# Altium PCB BMS-P00-V00 - Copy.PcbDoc (continued)
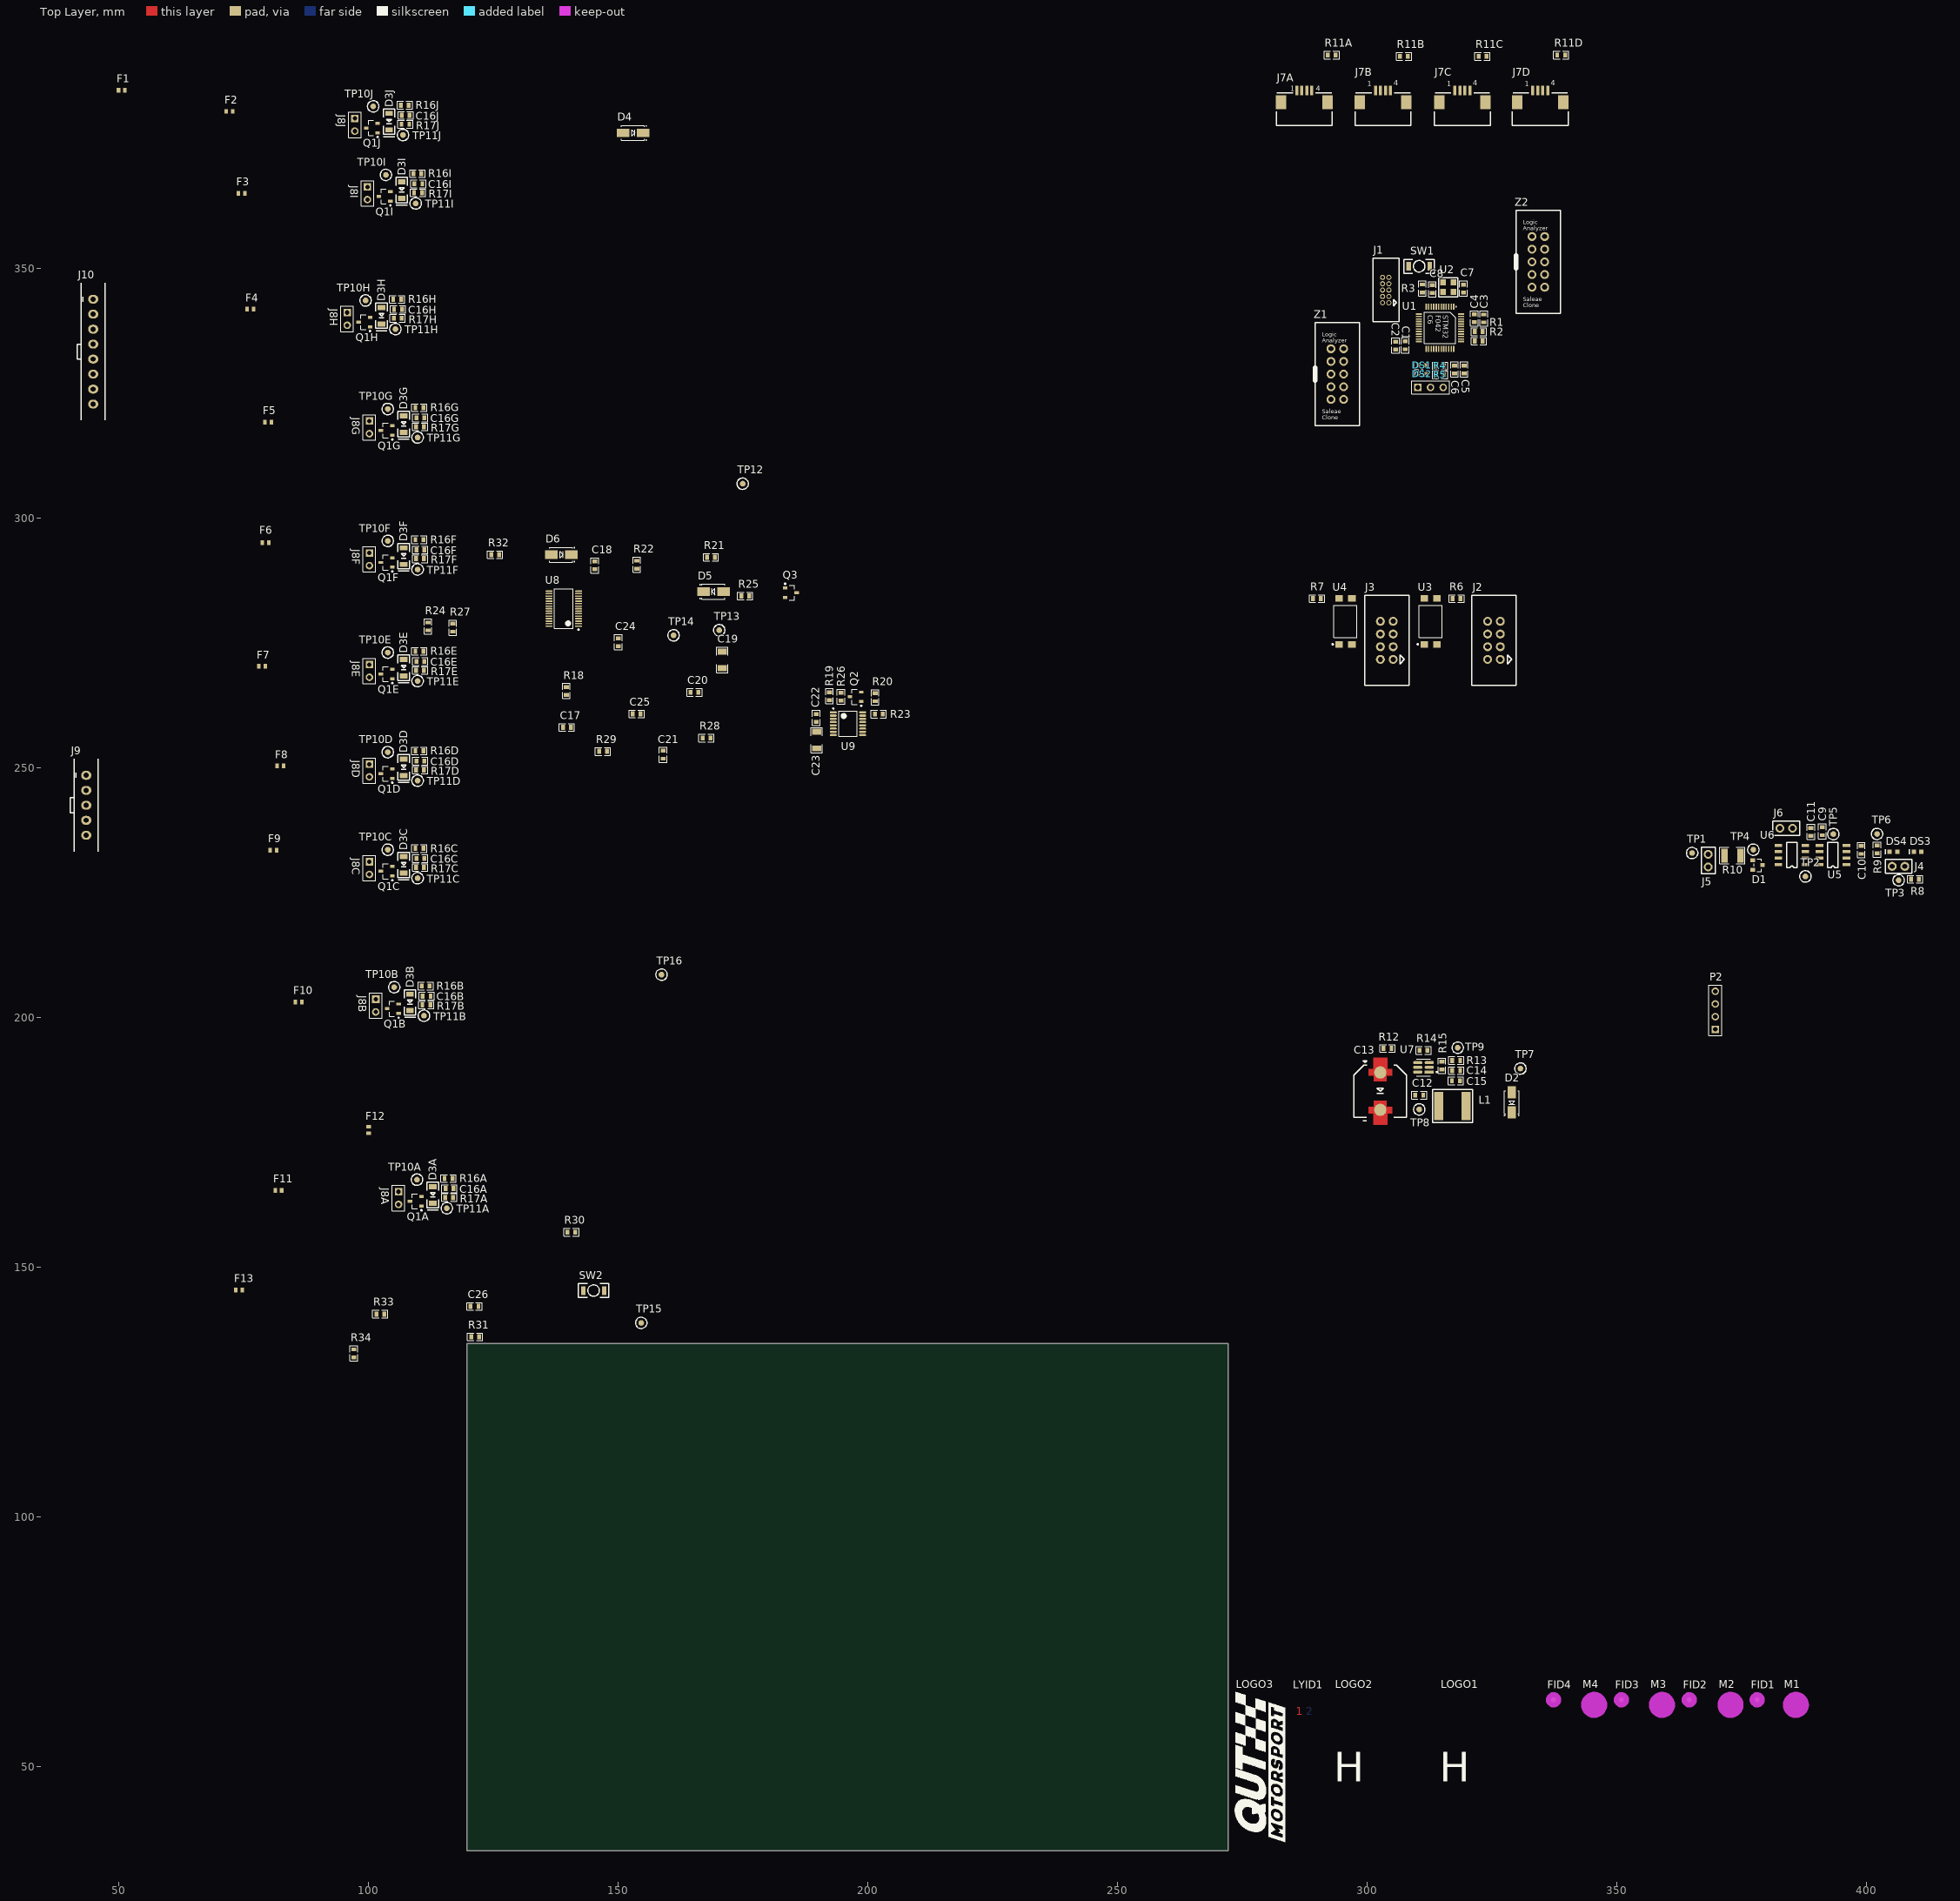
[diagram p0: Top Layer view]
## Components (designator, comment, footprint, x,y, rotation, side; value= is the part's Value field where it differs from the comment)
C1 "100nF" Cap_Ceramic_0603 307.594,334.549 r270 top
C2 "4u7" Cap_Ceramic_0603 305.689,334.518 r270 top
C3 "100nF" Cap_Ceramic_0603 323.342,339.948 r270 top
C4 "4u7" Cap_Ceramic_0603 321.437,339.979 r270 top
C5 "100nF" Cap_Ceramic_0603 319.405,329.723 r90 top
C6 "4u7" Cap_Ceramic_0603 317.5,329.723 r90 top
C7 "100nF" Cap_Ceramic_0603 319.278,345.917 r90 top
C8 "100nF" Cap_Ceramic_0603 313.055,345.821 r270 top
C9 "100nF" Cap_Ceramic_0603 391.127,237.267 r270 top
C10 "100nF" Cap_Ceramic_0603 398.91,233.519 r270 top
C11 "100nF" Cap_Ceramic_0603 388.841,237.14 r270 top
C12 "100nF 100V" Cap_Ceramic_0603 310.411,184.45 r180 top
C13 "47uF 80V 10% AluPoly 10x10mm" CAP_ALU_10x10mm 302.604,185.236 r90 top
C14 "47uF 16V 1210" Cap_Ceramic_0603 317.818,189.357 r0 top
C15 "47uF 16V 1210" Cap_Ceramic_0603 317.754,187.325 r0 top
C16A "220nF" Cap_Ceramic_0603 116.236,165.735 r0 top (schematic designator C16)
C16B "220nF" Cap_Ceramic_0603 111.671,204.277 r0 top (schematic designator C16)
C16C "220nF" Cap_Ceramic_0603 110.394,231.806 r0 top (schematic designator C16)
C16D "220nF" Cap_Ceramic_0603 110.394,251.333 r0 top (schematic designator C16)
C16E "220nF" Cap_Ceramic_0603 110.394,271.272 r0 top (schematic designator C16)
C16F "220nF" Cap_Ceramic_0603 110.394,293.624 r0 top (schematic designator C16)
C16G "220nF" Cap_Ceramic_0603 110.394,320.04 r0 top (schematic designator C16)
C16H "220nF" Cap_Ceramic_0603 105.949,341.757 r0 top (schematic designator C16)
C16I "220nF" Cap_Ceramic_0603 110.013,366.903 r0 top (schematic designator C16)
C16J "220nF" Cap_Ceramic_0603 107.473,380.619 r0 top (schematic designator C16)
C17 "220nF" Cap_Ceramic_0603 139.766,258.091 r180 top
C18 "1uF 25V" Cap_Ceramic_0603 145.354,290.507 r270 top
C19 "10uF 25V 1206" Cap_Ceramic_1206 170.881,271.58 r90 top
C20 "220nF" Cap_Ceramic_0603 165.293,265.076 r180 top
C21 "1uF 25V" Cap_Ceramic_0603 159.004,252.603 r90 top
C22 "470nF" Cap_Ceramic_0603 189.677,259.964 r90 top
C23 "10uF 25V 1206" Cap_Ceramic_1206 189.738,255.524 r90 top
C24 "1uF 25V" Cap_Ceramic_0603 150.053,275.109 r90 top
C25 "220nF" Cap_Ceramic_0603 153.705,260.758 r180 top
C26 "220nF" Cap_Ceramic_0603 121.256,142.14 r0 top
D1 "NUP2105L" NUP2105L 378.173,230.505 r270 top
D2 "B260A-13-F" SMA 328.93,183.007 r270 top
D3A "BZT52C5V6-7-F" SOD123 112.903,164.465 r270 top (schematic designator D3)
D3B "BZT52C5V6-7-F" SOD123 108.338,203.007 r270 top (schematic designator D3)
D3C "BZT52C5V6-7-F" SOD123 107.061,230.536 r270 top (schematic designator D3)
D3D "BZT52C5V6-7-F" SOD123 107.061,250.063 r270 top (schematic designator D3)
D3E "BZT52C5V6-7-F" SOD123 107.061,270.002 r270 top (schematic designator D3)
D3F "BZT52C5V6-7-F" SOD123 107.061,292.354 r270 top (schematic designator D3)
D3G "BZT52C5V6-7-F" SOD123 107.061,318.77 r270 top (schematic designator D3)
D3H "BZT52C5V6-7-F" SOD123 102.616,340.487 r270 top (schematic designator D3)
D3I "BZT52C5V6-7-F" SOD123 106.68,365.633 r270 top (schematic designator D3)
D3J "BZT52C5V6-7-F" SOD123 104.14,379.349 r270 top (schematic designator D3)
D4 "1N4448WQ-7-F" SMA 152.989,377.09 r0 top
D5 "1N4448WQ-7-F" SMA 169.103,285.269 r180 top
D6 "1N4448WQ-7-F" SMA 138.623,292.635 r0 top
DS1 "LED Orange" "LED ORANGE 0603" 311.023,330.581 r180 top
DS2 "LED Orange" "LED ORANGE 0603" 311.023,328.803 r180 top
DS3 "LED Blue 0603" "LED BLUE 0603" 410.189,233.164 r180 top
DS4 "LED Blue 0603" "LED BLUE 0603" 405.363,233.164 r180 top
F1 "3412.0124.22" 3412.0124.22 50.621,385.618 r0 top
F2 "3412.0124.22" 3412.0124.22 72.217,381.408 r0 top
F3 "3412.0124.22" 3412.0124.22 74.615,365.025 r0 top
F4 "3412.0124.22" 3412.0124.22 76.378,341.784 r180 top
F5 "3412.0124.22" 3412.0124.22 79.934,319.178 r180 top
F6 "3412.0124.22" 3412.0124.22 79.426,295.048 r0 top
F7 "3412.0124.22" 3412.0124.22 78.694,270.283 r180 top
F8 "3412.0124.22" 3412.0124.22 82.362,250.344 r180 top
F9 "3412.0124.22" 3412.0124.22 80.95,233.453 r0 top
F10 "3412.0124.22" 3412.0124.22 86.045,203.1 r0 top
F11 "3412.0124.22" 3412.0124.22 81.981,165.381 r0 top
F12 "3412.0124.22" 3412.0124.22 100.015,177.446 r270 top
F13 "3412.0124.22" 3412.0124.22 74.122,145.442 r180 top
FID1 "Fiducial 1MM" "FIDUCIAL 1MM" 378.079,63.373 r0 top
FID2 "Fiducial 1MM" "FIDUCIAL 1MM" 364.49,63.373 r90 top
FID3 "Fiducial 1MM" "FIDUCIAL 1MM" 350.901,63.373 r90 top
FID4 "Fiducial 1MM" "FIDUCIAL 1MM" 337.312,63.373 r90 top
J1 "IDC 10P 2x5 1.27mm" "IDC 1.27MM 10P" 303.695,345.623 r90 top
J2 "IDC 8P 2x4" "IDC 2.54MM 8P" 325.374,275.491 r90 top
J3 "IDC 8P 2x4" "IDC 2.54MM 8P" 303.911,275.491 r90 top
J4 "Jumper 2Way Pins" Jumper_2Way_Pin 407.649,230.243 r0 top
J5 "Jumper 2Way Pins" Jumper_2Way_Pin 368.267,232.664 r90 top
J6 "Jumper 2Way Pins" Jumper_2Way_Pin 382.618,237.871 r180 top
J7A "0526100672" 522710479 287.401,384.048 r0 top (schematic designator J7)
J7B "0526100672" 522710479 303.149,384.048 r0 top (schematic designator J7)
J7C "0526100672" 522710479 319.055,384.048 r0 top (schematic designator J7)
J7D "0526100672" 522710479 334.645,384.048 r0 top (schematic designator J7)
J8A "Bleed Header" HDR1X2 106.045,165.1 r270 top (schematic designator J8)
J8B "Bleed Header" HDR1X2 101.48,203.642 r270 top (schematic designator J8)
J8C "Bleed Header" HDR1X2 100.203,231.171 r270 top (schematic designator J8)
J8D "Bleed Header" HDR1X2 100.203,250.698 r270 top (schematic designator J8)
J8E "Bleed Header" HDR1X2 100.203,270.637 r270 top (schematic designator J8)
J8F "Bleed Header" HDR1X2 100.203,292.989 r270 top (schematic designator J8)
J8G "Bleed Header" HDR1X2 100.203,319.405 r270 top (schematic designator J8)
J8H "Bleed Header" HDR1X2 95.758,341.122 r270 top (schematic designator J8)
J8I "Bleed Header" HDR1X2 99.822,366.268 r270 top (schematic designator J8)
J8J "Bleed Header" HDR1X2 97.282,379.984 r270 top (schematic designator J8)
J9 "436500519" Microfit_1X5_V_TH 43.5,242.47 r90 top
J10 "436500819" Microfit_1X8_V_TH 44.897,333.299 r90 top
L1 "74404064221" Inductor_6x6mm 316.992,182.245 r0 top
LOGO1 "LBL High Voltage M" "LBL HV MEDIUM" 324.485,54.991 r0 top
LOGO2 "LBL High Voltage M" "LBL HV MEDIUM" 303.276,54.991 r0 top
LOGO3 "30mm Wide QUTMS Logo" "QUTMS LOGO 30MM" 283.591,34.925 r90 top
LYID1 "2 Layer Identification PCB Marker" "LAYER IDENT 2" 287.147,61.087 r0 top
M1 "Hole M3 Tight Unplated" "M3.2 UNPLATED" 385.826,62.357 r0 top
M2 "Hole M3 Tight Unplated" "M3.2 UNPLATED" 372.745,62.357 r0 top
M3 "Hole M3 Tight Unplated" "M3.2 UNPLATED" 359.029,62.357 r0 top
M4 "Hole M3 Tight Unplated" "M3.2 UNPLATED" 345.44,62.357 r0 top
P1 "UART" HDR1X3 310.134,326.136 r0 top
P2 "Header 4" HDR1X4 369.697,197.612 r90 top
Q1A "MOSFET N" PMV15UNEAR 109.474,163.195 r180 top (schematic designator Q1)
Q1B "MOSFET N" PMV15UNEAR 104.909,201.737 r180 top (schematic designator Q1)
Q1C "MOSFET N" PMV15UNEAR 103.632,229.266 r180 top (schematic designator Q1)
Q1D "MOSFET N" PMV15UNEAR 103.632,248.793 r180 top (schematic designator Q1)
Q1E "MOSFET N" PMV15UNEAR 103.632,268.732 r180 top (schematic designator Q1)
Q1F "MOSFET N" PMV15UNEAR 103.632,291.084 r180 top (schematic designator Q1)
Q1G "MOSFET N" PMV15UNEAR 103.632,317.5 r180 top (schematic designator Q1)
Q1H "MOSFET N" PMV15UNEAR 99.187,339.217 r180 top (schematic designator Q1)
Q1I "MOSFET N" PMV15UNEAR 103.251,364.363 r180 top (schematic designator Q1)
Q1J "MOSFET N" PMV15UNEAR 100.711,378.079 r180 top (schematic designator Q1)
Q2 "BST82,215" BST82,215 197.551,264.187 r180 top
Q3 "BST82,215" BST82,215 184.597,285.015 r0 top
R1 "2k2" Res_ThinFilm_0603 322.326,337.312 r0 top
R2 "2k2" Res_ThinFilm_0603 322.326,335.407 r0 top
R3 "4k7" Res_ThinFilm_0603 311.023,345.948 r270 top
R4 "330R" Res_ThinFilm_0603 314.579,330.454 r0 top
R5 "330R" Res_ThinFilm_0603 314.579,328.676 r0 top
R6 "100R" Res_ThinFilm_0603 317.881,283.873 r0 top
R7 "150R" Res_ThinFilm_0603 289.941,283.873 r0 top
R8 "330R" Res_ThinFilm_0603 409.681,227.703 r0 top
R9 "330R" Res_ThinFilm_0603 402.085,233.646 r270 top
R10 "120R 1% 1210" Res_ThinFilm_1210 373.119,232.41 r180 top
R11A "0R" Res_ThinFilm_0603 292.893,392.684 r180 top (schematic designator R11)
R11B "0R" Res_ThinFilm_0603 307.34,392.43 r180 top (schematic designator R11)
R11C "0R" Res_ThinFilm_0603 323.088,392.43 r180 top (schematic designator R11)
R11D "0R" Res_ThinFilm_0603 338.836,392.684 r0 top (schematic designator R11)
R12 "10k 1%" Res_ThinFilm_0603 304.069,193.802 r180 top
R13 "64k9 1%" Res_ThinFilm_0603 317.818,191.389 r0 top
R14 "620R 1%" Res_ThinFilm_0603 311.277,193.421 r180 top
R15 "19k6 1%" Res_ThinFilm_0603 314.96,190.342 r90 top
R16A "1k" Res_ThinFilm_0603 116.047,167.767 r0 top (schematic designator R16)
R16B "1k" Res_ThinFilm_0603 111.482,206.309 r0 top (schematic designator R16)
R16C "1k" Res_ThinFilm_0603 110.205,233.838 r0 top (schematic designator R16)
R16D "1k" Res_ThinFilm_0603 110.205,253.365 r0 top (schematic designator R16)
R16E "1k" Res_ThinFilm_0603 110.205,273.304 r0 top (schematic designator R16)
R16F "1k" Res_ThinFilm_0603 110.205,295.656 r0 top (schematic designator R16)
R16G "1k" Res_ThinFilm_0603 110.205,322.072 r0 top (schematic designator R16)
R16H "1k" Res_ThinFilm_0603 105.76,343.789 r0 top (schematic designator R16)
R16I "1k" Res_ThinFilm_0603 109.824,368.935 r0 top (schematic designator R16)
R16J "1k" Res_ThinFilm_0603 107.284,382.651 r0 top (schematic designator R16)
R17A "1k" Res_ThinFilm_0603 116.174,163.957 r0 top (schematic designator R17)
R17B "1k" Res_ThinFilm_0603 111.609,202.499 r0 top (schematic designator R17)
R17C "1k" Res_ThinFilm_0603 110.332,230.028 r0 top (schematic designator R17)
R17D "1k" Res_ThinFilm_0603 110.332,249.555 r0 top (schematic designator R17)
R17E "1k" Res_ThinFilm_0603 110.332,269.494 r0 top (schematic designator R17)
R17F "1k" Res_ThinFilm_0603 110.332,291.846 r0 top (schematic designator R17)
R17G "1k" Res_ThinFilm_0603 110.332,318.262 r0 top (schematic designator R17)
R17H "1k" Res_ThinFilm_0603 105.887,339.979 r0 top (schematic designator R17)
R17I "1k" Res_ThinFilm_0603 109.951,365.125 r0 top (schematic designator R17)
R17J "1k" Res_ThinFilm_0603 107.411,378.841 r0 top (schematic designator R17)
R18 "10k" Res_ThinFilm_0603 139.639,265.361 r270 top
R19 "10k" Res_ThinFilm_0603 192.344,264.314 r270 top
R20 "10M" Res_ThinFilm_0603 201.488,264.091 r90 top
R21 "10k" Res_ThinFilm_0603 168.595,292.127 r0 top
R22 "10k" Res_ThinFilm_0603 153.736,290.634 r270 top
R23 "0R" Res_ThinFilm_0603 202.206,260.726 r0 top
R24 "10k" Res_ThinFilm_0603 111.953,278.284 r270 top
R25 "100R" Res_ThinFilm_0603 175.453,284.38 r180 top
R26 "100R" Res_ThinFilm_0603 194.63,264.218 r90 top
R27 "10k" Res_ThinFilm_0603 116.906,278.03 r90 top
R28 "1k" Res_ThinFilm_0603 167.706,255.932 r180 top
R29 "1k" Res_ThinFilm_0603 146.974,253.265 r180 top
R30 "10k" Res_ThinFilm_0603 140.655,156.999 r180 top
R31 "10k" Res_ThinFilm_0603 121.383,136.044 r0 top
R32 "1k" Res_ThinFilm_0603 125.384,292.635 r0 top
R33 "10k" Res_ThinFilm_0603 102.397,140.616 r0 top
R34 "DNF 0603" Res_ThinFilm_0603 97.094,132.742 r90 top
SW1 "B3U-1000P" "BTN B3U-1000P" 310.388,350.393 r180 top
SW2 "B3U-1000P" "BTN B3U-1000P" 145.1,145.315 r180 top
TP1 "TestPoint_SMD" TestPointSMD 365.046,232.918 r0 top
TP2 "TestPoint_SMD" TestPointSMD 387.731,228.219 r0 top
TP3 "TestPoint_SMD" TestPointSMD 406.4,227.457 r90 top
TP4 "TestPoint_SMD" TestPointSMD 377.311,233.59 r0 top
TP5 "TestPoint_SMD" TestPointSMD 393.325,236.71 r0 top
TP6 "TestPoint_SMD" TestPointSMD 402.082,236.728 r0 top
TP7 "TestPoint_SMD" TestPointSMD 330.67,189.763 r0 top
TP8 "TestPoint_SMD" TestPointSMD 310.411,181.586 r0 top
TP9 "TestPoint_SMD" TestPointSMD 318.11,193.94 r0 top
TP10A "TestPoint_SMD" TestPointSMD 109.728,167.513 r90 top (schematic designator TP10)
TP10B "TestPoint_SMD" TestPointSMD 105.163,206.055 r90 top (schematic designator TP10)
TP10C "TestPoint_SMD" TestPointSMD 103.886,233.584 r90 top (schematic designator TP10)
TP10D "TestPoint_SMD" TestPointSMD 103.886,253.111 r90 top (schematic designator TP10)
TP10E "TestPoint_SMD" TestPointSMD 103.886,273.05 r90 top (schematic designator TP10)
TP10F "TestPoint_SMD" TestPointSMD 103.886,295.402 r90 top (schematic designator TP10)
TP10G "TestPoint_SMD" TestPointSMD 103.886,321.818 r90 top (schematic designator TP10)
TP10H "TestPoint_SMD" TestPointSMD 99.441,343.535 r90 top (schematic designator TP10)
TP10I "TestPoint_SMD" TestPointSMD 103.505,368.681 r90 top (schematic designator TP10)
TP10J "TestPoint_SMD" TestPointSMD 100.965,382.397 r90 top (schematic designator TP10)
TP11A "TestPoint_SMD" TestPointSMD 115.697,161.798 r90 top (schematic designator TP11)
TP11B "TestPoint_SMD" TestPointSMD 111.132,200.34 r90 top (schematic designator TP11)
TP11C "TestPoint_SMD" TestPointSMD 109.855,227.869 r90 top (schematic designator TP11)
TP11D "TestPoint_SMD" TestPointSMD 109.855,247.396 r90 top (schematic designator TP11)
TP11E "TestPoint_SMD" TestPointSMD 109.855,267.335 r90 top (schematic designator TP11)
TP11F "TestPoint_SMD" TestPointSMD 109.855,289.687 r90 top (schematic designator TP11)
TP11G "TestPoint_SMD" TestPointSMD 109.855,316.103 r90 top (schematic designator TP11)
TP11H "TestPoint_SMD" TestPointSMD 105.41,337.82 r90 top (schematic designator TP11)
TP11I "TestPoint_SMD" TestPointSMD 109.474,362.966 r90 top (schematic designator TP11)
TP11J "TestPoint_SMD" TestPointSMD 106.934,376.682 r90 top (schematic designator TP11)
TP12 "TestPoint_SMD" TestPointSMD 174.945,306.859 r180 top
TP13 "TestPoint_SMD" TestPointSMD 170.246,277.522 r180 top
TP14 "TestPoint_SMD" TestPointSMD 161.102,276.506 r180 top
TP15 "TestPoint_SMD" TestPointSMD 154.625,138.838 r180 top
TP16 "TestPoint_SMD" TestPointSMD 158.689,208.561 r180 top
U1 "STM32F042C6" STM32F042C6 317.309,342.32 r270 top
U2 "DSC1001DI1-008.0000T" DSC1001DI1-008.0000TCT-ND 316.23,346.202 r270 top
U3 "FOD817ASD" FOD817ASD 312.674,279.301 r90 top
U4 "FOD817ASD" FOD817ASD 295.656,279.301 r90 top
U5 "Si8621BC-B-IS" Si8621BC-B-IS 393.241,232.539 r180 top
U6 "SN65HVD233" SN65HVD233DR 385.031,232.537 r180 top
U7 "LMR14010" LMR14010 311.277,189.992 r180 top
U8 "BQ76930" bq76930 139.131,281.84 r180 top
U9 "BQ76200" BQ76200 196.029,258.806 r0 top
Z1 "LogicAnalyzerBreakOut" LogicAnalyzer 294.005,328.803 r0 top
Z2 "LogicAnalyzerBreakOut" LogicAnalyzer 334.26,351.272 r0 top

## Footprints (in the part's own frame and the unit in brackets; to place one, negate y for a bottom-side part, rotate by r counter-clockwise, add the part's x,y. Pads: shape width x height; smd on the part's side, far side on the other; paste and mask are expansions set on the pad)
3412.0124.22 [mm] "5A Fuse"
  rect 0.7x0.95 smd: 1(-0.65,0) 2(0.65,0)
  body extent -0.8,-0.48 0.8,0.48, height 0.55
522710479 [mm] "Easy-On FFC/FPC Connector, 1.00mm Pitch, Slider Series, Right-Angle, Bottom Contact, 3.00mm Height, 6 Circuits, Tin-Bismuth Plating"
  rect 0.61x1.9 smd: 1(-1.5,1.55) 2(-0.5,1.55) 3(0.5,1.55) 4(1.5,1.55)
  rect 2.1x2.8 smd: NC(-4.65,-0.8) NC(4.65,-0.8)
  silkscreen extent -5.59,-5.46 5.59,1.02, body extent -5.5,-5.4 5.5,2, height 3.05
BQ76200 [mm] "TSOP, 16-Leads, Body 5.00x4.40mm, Pitch 0.65mm, IPC Medium Density"
  oval 1.4x0.45 smd: 1(-2.95,2.275) 2(-2.95,1.625) 3(-2.95,0.975) 4(-2.95,0.325) 5(-2.95,-0.325) 6(-2.95,-0.975) 7(-2.95,-1.625) 8(-2.95,-2.275) 9(2.95,-2.275) 10(2.95,-1.625) 11(2.95,-0.975) 12(2.95,-0.325) 13(2.95,0.325) 14(2.95,0.975) 15(2.95,1.625) 16(2.95,2.275)
  silkscreen extent -3.07,-2.55 1.85,3.17, body extent -3.21,-2.55 3.22,2.55, height 1.11
bq76930 [mm] "TSSOP, 30-Leads, Body 7.80x4.40mm, Pitch 0.50mm, IPC Medium Density"
  oval 1.4x0.3 smd: 1(-2.95,3.5) 2(-2.95,3) 3(-2.95,2.5) 4(-2.95,2) 5(-2.95,1.5) 6(-2.95,1) 7(-2.95,0.5) 8(-2.95,0) 9(-2.95,-0.5) 10(-2.95,-1) 11(-2.95,-1.5) 12(-2.95,-2) 13(-2.95,-2.5) 14(-2.95,-3) 15(-2.95,-3.5) 16(2.95,-3.5) 17(2.95,-3) 18(2.95,-2.5) 19(2.95,-2) 20(2.95,-1.5) 21(2.95,-1) 22(2.95,-0.5) 23(2.95,0) 24(2.95,0.5) 25(2.95,1) 26(2.95,1.5) 27(2.95,2) 28(2.95,2.5) 29(2.95,3) 30(2.95,3.5)
  silkscreen extent -3.08,-3.95 1.85,4.32, body extent -2.25,-3.95 2.25,3.95, height 1.2
BST82,215 [mm] "SOT23, 3-Leads, Body 2.90x2.30mm, Pitch 0.95mm, IPC Medium Density"
  rect 0.9x0.6 smd: D(1.15,0) G(-1.15,0.95) S(-1.15,-0.95)
  silkscreen extent -1.28,-1.5 0.7,1.92, body extent -0.7,-1.5 0.7,1.5, height 1.1
"BTN B3U-1000P" [mil] "OMRON B3U-1000P"
  rect 35x70 smd: 1(-82.68,0) 2(82.68,0)
  silkscreen extent -120,-55 120,55, body extent -79,-49 79,49, height 63
CAP_ALU_10x10mm [mm]
  round 2.466 smd paste+0 mask+0: A(3.738,-0.013) K(-3.737,-0.013)
  Top Layer region: 1.951,-1.25 1.951,1.25 3.151,1.25 3.151,2.35 4.451,2.35 4.451,1.397 6.731,1.397 6.731,-1.397 4.451,-1.397 4.451,-2.35 3.151,-2.35 3.151,-1.25
  Top Layer region: -1.949,-1.25 -1.949,1.25 -3.149,1.25 -3.149,2.35 -4.449,2.35 -4.449,1.397 -6.731,1.397 -6.731,-1.397 -4.449,-1.397 -4.449,-2.35 -3.149,-2.35 -3.149,-1.25
  silkscreen extent -5.97,-5.25 6.1,5.25, body extent -6.6,-5.5 6.6,5.5, height 0.25
Cap_Ceramic_0603 [mil]
  rect 30x40 smd: 1(-31.24,0) 2(31.24,0)
  silkscreen extent -60,-30 60,30, body extent -31,-16 32,16, height 33
Cap_Ceramic_1206 [mil]
  rect 47x71 smd: 1(-66.08,0) 2(66.08,0)
  silkscreen extent -100,-45 100,45, body extent -63,-31 63,32, height 53
DSC1001DI1-008.0000TCT-ND [mil]
  rect 48x43 smd: 1(-37.4,41.34) 2(37.4,41.34) 3(37.4,-41.34) 4(-37.4,-41.34)
  silkscreen extent -75,-75 75,75, body extent -49,-63 49,63, height 33
"FIDUCIAL 1MM" [mm]
  round 1 smd mask+1: 1(0,0)
  round 1 smd far side mask+1: 1(0,0)
  Keep-Out Layer circle w1.524: c0,0 r0.762
FOD817ASD [mm]
  rect 1.3x1.5 smd: 1(-4.6,1.27) 2(-4.6,-1.27) 3(4.6,-1.27) 4(4.6,1.27)
  silkscreen extent -4.72,-2.3 3.25,2.69, body extent -5.08,-2.3 5.08,2.3, height 3.85
HDR1X2 [mm] "Connector; Header; 2 Position"
  rect 1.5x1.5 hole 0.9: 1(0,0)
  round 1.5 hole 0.9: 2(2.54,0)
  silkscreen extent -1.27,-1.27 3.81,1.27
HDR1X3 [mm] "Connector; Header; 3 Position"
  rect 1.5x1.5 hole 0.9: 1(0,0)
  round 1.5 hole 0.9: 2(2.54,0) 3(5.08,0)
  silkscreen extent -1.27,-1.27 6.35,1.27
HDR1X4 [mm] "Connector; Header; 4 Position"
  rect 1.5x1.5 hole 0.9: 1(0,0)
  round 1.5 hole 0.9: 2(2.54,0) 3(5.08,0) 4(7.62,0)
  silkscreen extent -1.27,-1.27 8.89,1.27
"IDC 1.27MM 10P" [mil]
  round 40 hole 25: 1(-100,-25) 2(-100,25) 3(-50,-25) 4(-50,25) 5(0,-25) 6(0,25) 7(50,-25) 8(50,25) 9(100,-25) 10(100,25)
  silkscreen extent -250,-105 250,100, body extent -249,-104 249,100, height 214
"IDC 2.54MM 8P" [mil]
  round 70 hole 40: 1(-150,-50) 2(-150,50) 3(-50,-50) 4(-50,50) 5(50,-50) 5(150,-50) 6(50,50) 6(150,50)
  silkscreen extent -355,-175 355,175, body extent -354,-177 354,173, height 355
Inductor_6x6mm [mm]
  rect 1.8x5.7 smd: 1(-2.667,0) 2(2.794,0)
  silkscreen extent -3.94,-3.3 4.06,3.3, body extent -3,-3 3,3, height 4.56
Jumper_2Way_Pin [mil]
  round 70 hole 40: 1(-100,0) 2(0,0)
  silkscreen extent -155,-55 55,55, body extent -142,-48 42,47, height 332
"LAYER IDENT 2" [mm]
  Top Layer pour cut-out: 4.826,3.81
  Top Layer pour cut-out: -2.286,1.27 -2.286,-1.27 2.286,-1.27 2.286,1.27
  Top Layer pour cut-out: -0.254,0.762
  Top Layer pour cut-out: -0.508,-0.127
  Bottom Layer pour cut-out: -2.286,1.27 -2.286,-1.27 2.286,-1.27 2.286,1.27
"LBL HV MEDIUM" [mm]
"LED BLUE 0603" [mil]
  rect 35x35 smd: 1(-30,0) 2(30,0)
  silkscreen extent 65,-20 65,20, body extent -40,-20 40,20, height 30
"LED ORANGE 0603" [mil]
  rect 35x35 smd: 1(-30,0) 2(30,0)
  silkscreen extent 65,-20 65,20, body extent -40,-20 40,20, height 30
LMR14010 [mm]
  rect 1.854x0.612 smd paste+0 mask+0: 1(-1.136,0.933)
  rrect100% 1.854x0.612 smd paste+0 mask+0: 2(-1.136,-0.017) 3(-1.136,-0.967) 4(1.164,-0.967) 5(1.164,-0.017) 6(1.164,0.933)
  silkscreen extent -2.79,-1.72 1.41,1.68, body extent -2.56,-1.97 2.59,1.93, height 0.25
LogicAnalyzer [mil]
  round 70 hole 40: 1(-50,200) 2(50,200) 3(-50,100) 4(50,100) 5(-50,0) 6(50,0) 7(-50,-100) 8(50,-100) 9(-50,-200) 10(50,-200)
  silkscreen extent -175,-405 175,405, body extent -175,-404 175,404, height 359
"M3.2 UNPLATED" [mm]
  round 0 hole 3.2 unplated mask+2.6: 1(0,0)
  Keep-Out Layer circle w2.667: c0,0 r1.27
Microfit_1X5_V_TH [mil]
  oval 70x80 hole 40: 1(236.22,0) 2(118.11,0) 3(0,0) 4(-118.11,0) 5(-236.22,0)
  round 0 hole 95 unplated: NC(-320.87,0) NC(320.87,0)
  silkscreen extent -365,-95 365,125, body extent -367,-97 367,123, height 395
Microfit_1X8_V_TH [mil]
  oval 70x80 hole 40: 1(413.39,0) 2(295.28,0) 3(177.16,0) 4(59.05,0) 5(-59.06,0) 6(-177.17,0) 7(-295.28,0) 8(-413.39,0)
  round 0 hole 95 unplated: NC(-498.03,0) NC(498.03,0)
  silkscreen extent -540,-95 540,125, body extent -544,-97 544,123, height 395
NUP2105L [mm]
  rect 0.8x0.9 smd: 1(-0.95,-1) 2(0.95,-1) 3(0,1)
  silkscreen extent -1.27,-0.76 1.27,0.76, body extent -1.45,-1.22 1.45,1.18, height 1
PMV15UNEAR [mm] "SOT23, 3-Leads, Body 2.90x2.30mm, Pitch 0.95mm, IPC Medium Density"
  rect 0.9x0.6 smd: D(1.15,0) G(-1.15,0.95) S(-1.15,-0.95)
  silkscreen extent -1.28,-1.5 0.7,1.92, body extent -0.7,-1.5 0.7,1.5, height 1.1
"QUTMS LOGO 30MM" [mm]
  silkscreen extent -0.03,0.03 30.02,10.1
Res_ThinFilm_0603 [mil]
  rect 30x40 smd: 1(-31.24,0) 2(31.24,0)
  silkscreen extent -60,-30 60,30, body extent -31,-16 32,16, height 18
Res_ThinFilm_1210 [mm]
  rect 1.3x2.8 smd: 1(-1.625,0) 2(1.625,0)
  silkscreen extent -2.54,-1.65 2.54,1.65, body extent -1.6,-1.25 1.6,1.25, height 0.6
Si8621BC-B-IS [mm]
  rect 1.55x0.6 smd: 1(-2.7,1.905) 2(-2.7,0.635) 3(-2.7,-0.635) 4(-2.7,-1.905) 5(2.7,-1.905) 6(2.7,-0.635) 7(2.7,0.635) 8(2.7,1.905)
  silkscreen extent -1.04,-2.54 1.04,2.54, body extent -3.01,-2.45 3.01,2.45, height 1.63
SMA [mm]
  rect 2.5x1.7 smd: A(-2,0) K(2,0)
  silkscreen extent -2.3,-1.52 2.67,1.52, body extent -2.52,-1.46 2.52,1.46, height 2.4
SN65HVD233DR [mm]
  rect 1.55x0.6 smd: 1(-2.7,1.903) 2(-2.7,0.633) 3(-2.7,-0.637) 4(-2.7,-1.907) 5(2.7,-1.907) 6(2.7,-0.637) 7(2.7,0.633) 8(2.7,1.903)
  silkscreen extent -1.04,-2.54 1.04,2.54, body extent -3.01,-2.45 3.01,2.45, height 1.63
SOD123 [mil]
  rect 40x60 smd: A(-65,0) K(65,0)
  silkscreen extent -100,-45 118,45, body extent -74,-33 74,33, height 47
STM32F042C6 [mm]
  rect 1.2x0.3 smd: 1(0,0) 2(0,-0.5) 3(0,-1) 4(0,-1.5) 5(0,-2) 6(0,-2.5) 7(0,-3) 8(0,-3.5) 9(0,-4) 10(0,-4.5) 11(0,-5) 12(0,-5.5) 25(8.5,-5.5) 26(8.5,-5) 27(8.5,-4.5) 28(8.5,-4) 29(8.5,-3.5) 30(8.5,-3) 31(8.5,-2.5) 32(8.5,-2) 33(8.5,-1.5) 34(8.5,-1) 35(8.5,-0.5) 36(8.5,0)
  rect 0.3x1.2 smd: 13(1.5,-7) 14(2,-7) 15(2.5,-7) 16(3,-7) 17(3.5,-7) 18(4,-7) 19(4.5,-7) 20(5,-7) 21(5.5,-7) 22(6,-7) 23(6.5,-7) 24(7,-7) 37(7,1.5) 38(6.5,1.5) 39(6,1.5) 40(5.5,1.5) 41(5,1.5) 42(4.5,1.5) 43(4,1.5) 44(3.5,1.5) 45(3,1.5) 46(2.5,1.5) 47(2,1.5) 48(1.5,1.5)
  silkscreen extent -0.13,-5.86 7.36,0.51, body extent -0.27,-7.26 8.76,1.77, height 1.5
TestPointSMD [mil]
  round 45 smd: 1(0,0)
  silkscreen extent -45,-45 45,45

## Part data
C1 C3 C5 C7 C8 C9 C10 C11: library part "100nF 50V 5% X7R 0603", "Capacitor, Ceramic, SMD, 100nF, 50V, 5%, X7R, 0603"
C2 C4 C6: library part "4u7 50V 5% X7R 0603", "Capacitor, Ceramic, SMD, 4u7, 50V, 5%, X7R, 0603"
C12: library part "100nF 100V 5% X7R 0603", "Capacitor, Ceramic, SMD, 100nF, 100V, 5%, X7R, 0603"
C13: "Capacitor, AluPoly, SMD, 47uF, 80V, 10%, AluPoly, 10x10mm"
C14 C15: library part "47uF 16V 10% X7R 1210", "Capacitor, Ceramic, SMD, 47uF, 16V, 5%, X7R, 1210"
C16A C16B C16C C16D C16E C16F C16G C16H C16I C16J C17 C20 C25 C26: library part "220nF 50V 5% X7R 0603", "Capacitor, Ceramic, SMD, 220nF, 50V, 5%, X7R, 0603"
C18 C21 C24: library part "1uF 25V 5% X7R 0603", "Capacitor, Ceramic, SMD, 1uF, 25V, 5%, X7R, 0603"
C19 C23: library part "10uF 25V 10% X7R 1206", "Capacitor, Ceramic, SMD, 10uF, 25V, 10%, X7R, 1206"
C22: library part "470nF 50V 5% X7R 0603", "Capacitor, Ceramic, SMD, 470nF, 50V, 5%, X7R, 0603"
D2: "Diode, Schottky Barrier Rectifier, 60 V, 2 A, B260A-13-F"
D3A D3B D3C D3D D3E D3F D3G D3H D3I D3J: "Diode, SMD, Zender, 5.6V, 7%, 500mW, SOD-123", Manufacturer=Generic, MPN="1.8V 500mW"
D4 D5 D6: "Diode, SMD, 75V, 5%, 250mA, SOD123", Average Rectified Current=150mA, Forward Voltage=1V, Manufacturer="ON Semiconductor / Fairchild", Manufacturer Part Number=1N914BWS, Max Forward Surge Current (Ifsm)=4A, Max Operating Temperature=150°C, Max Repetitive Reverse Voltage (Vrrm)=75V, Max Reverse Leakage Current=5uA, Min Operating Temperature=-55°C, Package Quantity=1, Power Dissipation=200mW, Category="Rectifier Diodes", Contact Plating=Tin,Matte, Element Configuration=Single, Forward Current=150mA, Height=1mm, Lead Free="Lead Free", Length=1.8mm, Max Reverse Voltage (DC)=75V, Mount="Surface Mount", Number of Pins=2, Packaging="Tape and Reel", Peak Reverse Current=5uA, Radiation Hardening=No, REACH SVHC="No SVHC", Recovery Time=4ns, Reverse Recovery Time=4ns, Reverse Voltage=75V, Weight=0.0276g, Width=1.35mm
DS1 DS2: library part "LED ORANGE 0603"
DS3 DS4: library part "LED BLUE 0603"
F1 F2 F3 F4 F5 F6 F7 F8 F9 F10 F11 F12 F13: "FUSE BOARD MOUNT 5A 63VDC 0603"
J2 J3: "IDC 8P 2x5"
J4 J5 J6: library part "Jumper 2Way Side Pins", "Jumper 2Way Side Pins"
J7A J7B J7C J7D: library part 4PinMOLEX
J8A J8B J8C J8D J8E J8F J8G J8H J8I J8J: library part "Header 2", "Header, 2-Pin", LatestRevisionDate=17-Jul-2002, LatestRevisionNote="Re-released for DXP Platform.", Publisher="Altium Limited"
J9: library part Microfit_1x5
J10: library part Microfit_1x8
L1: "FIXED IND 220UH 660MA 850 MOHM", ComponentLink1Description=Digikey, ComponentLink1URL=https://www.digikey.com.au/product-detail/en/w%C3%BCrth-elektronik/74404064221/732-7261-1-ND/5353241, ComponentLink2Description="LCSC A", ComponentLink2URL=https://lcsc.com/product-detail/Power-Inductors_Sunlord-SWPA6045S221MT_C91047.html, ComponentLink3Description="LCSC B", ComponentLink3URL=https://lcsc.com/product-detail/Power-Inductors_SXN-Shun-Xiang-Nuo-Elec-SMNR6045-221MT_C467145.html
LOGO3: library part "QUTMS Logo 30mm"
LYID1: library part "Layer Identification 2"
M1 M2 M3 M4: "M3.2 Hole, No Plating"
P1: library part "Header 3", "Header, 3-Pin", LatestRevisionDate=17-Jul-2002, LatestRevisionNote="Re-released for DXP Platform.", Publisher="Altium Limited"
P2: "Header, 4-Pin", LatestRevisionDate=17-Jul-2002, LatestRevisionNote="Re-released for DXP Platform.", Publisher="Altium Limited"
Q1A Q1B Q1C Q1D Q1E Q1F Q1G Q1H Q1I Q1J: library part PMV15UNEAR, "MOSFET N-CH, 20V, SOT23", Manufacturer=Nexperia, Manufacturer Part Number=PMV15UNEAR
Q2 Q3: "MOSFET N-CH, 20V, SOT23"
R1 R2: library part "2k2 5% 0603", "Resistor, SMD, 2k2, 0.1W, 5%, 0603"
R3: library part "4k7 5% 0603", "Resistor, SMD, 4k7, 0.1W, 5%, 0603"
R4 R5 R8 R9: library part "330R 5% 0603", "Resistor, SMD, 330R, 0.1W, 5%, 0603"
R6 R25 R26: library part "100R 5%, 0603", "Resistor, SMD, 100R, 0.1W, 5%, 0603"
R7: library part "150R 5% 0603", "Resistor, SMD, 150R, 0.1W, 5%, 0603"
R10: "Resistor, SMD, 120R, 0.25W, 1%, 1210"
R11A R11B R11C R11D R23: library part "0R 5% 0603", "Resistor, SMD, 0R, 0.1W, 5%, 0603"
R12: library part "10k 1% 0603", "Resistor, SMD, 10k, 0.1W, 1%, 0603"
R13: library part "64k9 1% 0603", "Resistor, SMD, 64k9, 0.1W, 5%, 0603"
R14: library part "620R 1% 0603", "Resistor, SMD, 680R, 0.1W, 5%, 0603"
R15: library part "19k6 1% 0603", "Resistor, SMD, 19k6, 0.1W, 5%, 0603"
R16A R16B R16C R16D R16E R16F R16G R16H R16I R16J R17A R17B R17C R17D R17E R17F R17G R17H R17I R17J R28 R29 R32: library part "1k 5% 0603", "Resistor, SMD, 1k, 0.1W, 5%, 0603"
R18 R19 R21 R22 R24 R27 R30 R31 R33: library part "10k 5% 0603", "Resistor, SMD, 10k, 0.1W, 5%, 0603"
R20: library part "10M 5% 0603", "Resistor, SMD, 10M, 0.1W, 5%, 0603"
R34: "Resistor, SMD, DNF, 0.1W, 0603"
SW1 SW2: library part "BTN B3U-1000P", "Omron B3U-1000P Ultra Miniture Switch", ComponentLink1Description=LCSC, ComponentLink1URL=https://lcsc.com/product-detail/Tactile-Switches_BRIGHT-TSA063G50-250_C294565.html
U1: library part STM32042C6, "ARM® Cortex®-M0 STM32F0 Microcontroller IC 32-Bit 48MHz 32KB (32K x 8) FLASH 48-LQFP (7x7)", ComponentLink1Description=Digikey, ComponentLink1URL=https://www.digikey.com.au/product-detail/en/stmicroelectronics/STM32F042C6T6TR/497-19319-1-ND/10063344, ComponentLink2Description=Datasheet, ComponentLink2URL=https://www.st.com/resource/en/datasheet/stm32f042k6.pdf
U2: "on 8MHz XO (Standard) CMOS Oscillator 1.8 ~ 3.3V Standby (Power Down) 4-SMD, No Lead"
U3 U4: "Optoisolator 5kV Transistor 4SMD"
U8: "Battery Monitoring/Fuel Gauge Li-Ion/Li-Polymer/LiFePO4 0V to 16V 30-Pin TSSOP T/R", Case/Package=TFSOP, Manufacturer="Texas Instruments", Manufacturer Part Number=BQ7693003DBTR, Max Operating Temperature=85°C, Min Operating Temperature=-40°C, Operating Supply Voltage=25V, Output Voltage=16V, Package Quantity=2000, Supplier Part Number 1=296-39961-1-ND, Category="Battery Management", ComponentLink1Description=http://www.ti.com/lit/gpn/bq76930?src-supplier=Mouser, ComponentLink1URL=http://www.ti.com/lit/gpn/bq76930?src-supplier=Mouser, ComponentLink2Description=http://www.ti.com/lit/ds/symlink/bq76930.pdf?src-supplier=Digi-Key, ComponentLink2URL=http://www.ti.com/lit/ds/symlink/bq76930.pdf?src-supplier=Digi-Key, ComponentLink3Description=http://www.ti.com/lit/pdf/slpt038?src-supplier=Digi-Key, ComponentLink3URL=http://www.ti.com/lit/pdf/slpt038?src-supplier=Digi-Key, ComponentLink4Description=http://www.ti.com/general/docs/lit/getliterature.tsp?genericPartNumber=BQ76920&amp;&amp;fileType=pdf&src-supplier=Avnet+Asia, ComponentLink4URL=http://www.ti.com/general/docs/lit/getliterature.tsp?genericPartNumber=BQ76920&amp;&amp;fileType=pdf&src-supplier=Avnet+Asia, ComponentLink5Description=http://www.ti.com/general/docs/lit/getliterature.tsp?genericPartNumber=BQ76920&&fileType=pdf&src-supplier=Avnet, ComponentLink5URL=http://www.ti.com/general/docs/lit/getliterature.tsp?genericPartNumber=BQ76920&&fileType=pdf&src-supplier=Avnet, Contact Plating=Gold, Fault Protection="Over Current,Short Circuit,Over/Under Voltage", Interface=I2C, InternalPart=Test1234, Lead Free="Lead Free", Mount="Surface Mount", Number of Pins=30, Packaging="Tape and Reel", Pricing 1="1=4.66000, 10=4.18900, 25=3.96000, 100=3.25600, 250=2.92160, 500=2.81600, 1000=2.34080 (USD)", RoHS=Yes, Stock 1=4521, Supplier 1=Digi-Key, Weight=0.003439oz
U9: library part BQ76200PWR, "High-voltage battery pack front-end charge/discharge high-side NFET driver", Manufacturer="Texas Instruments", MPN=BQ76200PWR
Z1 Z2: library part LogicAnalyer
D1: ComponentLink1Description=Datasheet, ComponentLink1URL=https://www.onsemi.cn/PowerSolutions/document/NUP2105L-D.PDF, ComponentLink2Description=LCSC, ComponentLink2URL=https://lcsc.com/product-detail/TVS_ON-Semiconductor-NUP2105LT1G_C14486.html, ComponentLink3Description=Digikey, ComponentLink3URL=https://www.digikey.com.au/product-detail/en/on-semiconductor/SZNUP2105LT1G/SZNUP2105LT1GOSCT-ND/3487669
U5: ComponentLink1Description=Digikey, ComponentLink1URL=https://www.digikey.com.au/product-detail/en/silicon-labs/SI8621BC-B-ISR/336-4774-1-ND/8611005, ComponentLink2Description=Datasheet, ComponentLink2URL=https://www.silabs.com/documents/public/data-sheets/si861x-2x-datasheet.pdf
U6: ComponentLink1Description=LCSC, ComponentLink1URL=https://lcsc.com/product-detail/CAN-ICs_Texas-Instruments_SN65HVD233DRG4_Texas-Instruments-Texas-Instruments-SN65HVD233DRG4_C61643.html, ComponentLink2Description=Digikey, ComponentLink2URL=https://www.digikey.com.au/product-detail/en/texas-instruments/SN65HVD233DR/296-35967-1-ND/4134960, ComponentLink3Description=Datasheet, ComponentLink3URL=https://www.ti.com/lit/ds/symlink/sn65hvd233.pdf?ts=1588560888178, ComponentLink4Description="Ti Product Page", ComponentLink4URL=https://www.ti.com/product/SN65HVD233

## Nets (pads, with @x,y where several pads share a name; then routed paths per layer and width w, separated by ;. In a path a pad name is that pad's centre, name@x,y a point inside that pad or via, vN(x,y) a via of type N, cw(c..) or ccw(c..) an arc to the next point about the centre after c; other vN are vias at no path point)
3V3: C1.2 C2.2 C3.2 C4.2 C5.2 C6.2 C7.2 C10.2 C14.2 C15.2 J1.1 J4.1 J7A.1 J7B.1 J7C.1 J7D.1 L1.2 P2.1 R1.2 R2.2 R3.2 R4.2 R5.2 R6.2 R13.2 TP7.1 U1.1 U1.9 U1.24 U1.36 U1.48 U2.1 U2.4 U5.1
36V: C13.A Q2.S R12.2 R20.2 U7.5
"BMS BOOT": R31.2 SW2.1 TP15.1 U4.3 U8.6
"BMS BOOT ISO": J2.1 J3.1 R7.1
"BMS BOOT REF": R30.1 SW2.2 U4.4
"BMS nALARM IN": U3.4
"BMS nALARM OUT": U3.3
"BMS nALARM RETURN": 
C0: F13.1 J10.8
C10: F1.1 J10.1
"CAN H": D1.2 J2.4 J3.4 J5.1 TP1.1 U6.7
"CAN L": D1.1 J2.3 J3.3 R10.1 TP4.1 U6.6
"CAN LBK": J6.2 U6.5
"CAN LED": DS3.1 DS4.1 J4.2
"CAN RX": R9.1 TP6.1 U1.32 U5.3 Z1.4
"CAN RX LED": DS4.2 R9.2
"CAN TX": R8.1 TP3.1 U1.33 U5.2 Z1.3
"CAN TX LED": DS3.2 R8.2
"CELL ALERT": R32.2 U1.22
CHG: R29.2 U1.26
"CHG EN": R29.1 U8.2
CV0: F12.1 J10.7
CV1: F11.1 J9.5
CV2: F10.1 J10.6
CV3: F9.1 J9.4
CV4: F8.1 J10.5
CV5: F7.1 J9.3
CV6: F6.1 J10.4
CV7: F5.1 J9.2
CV8: F4.1 J10.3
CV9: F3.1 J9.1
CV10: F2.1 J10.2
CVF0: D3A.A F12.2 Q1A.S R33.1 R34.2
CVF1: D3B.A F11.2 J8A.1 Q1B.S R16A.1 R30.2 TP10A.1
CVF2: D3C.A F10.2 J8B.1 Q1C.S R16B.1 TP10B.1
CVF3: D3D.A F9.2 J8C.1 Q1D.S R16C.1 TP10C.1
CVF4: D3E.A F8.2 J8D.1 Q1E.S R16D.1 TP10D.1
CVF5: D3F.A F7.2 J8E.1 Q1F.S R16E.1 R24.2 R27.1 TP10E.1
CVF6: D3G.A F6.2 J8F.1 Q1G.S R16F.1 TP10F.1
CVF7: D3H.A F5.2 J8G.1 Q1H.S R16G.1 TP10G.1
CVF8: D3I.A F4.2 J8H.1 Q1I.S R16H.1 TP10H.1
CVF9: D3J.A F3.2 J8I.1 Q1J.S R16I.1 TP10I.1
CVF10: F2.2 J8J.1 R16J.1 TP10J.1
DSG: R28.2 U1.25
"DSG EN": R28.1 U8.1 U9.6
"DSG MOSFET": Q2.G R20.1 R23.2
GND: C1.1 C2.1 C3.1 C4.1 C5.1 C6.1 C7.1 C8.1 C10.1 C13.K C14.1 C15.1 C16A.1 C19.1 C20.1 C21.1 C23.1 C24.1 C26.1 F13.2 J1.3 J1.5 J1.9 J7A.3 J7B.3 J7C.3 J7D.3 P1.3 P2.3 R14.1 R15.1 R31.1 R34.1 SW1.1 U1.6 U1.8 U1.23 U1.35 U1.47 U2.2 U5.4 U7.2 U8.3 U8.28 U8.29 U9.4 U9.5 U9.7 U9.8 U9.9 Z1.10 Z2.10
"I2C1 SCL": R1.1 U1.42 U8.5 Z1.6
"I2C1 SDA": R2.1 U1.43 U8.4 Z1.5
"ISO 3V3": C9.2 C11.2 J2.5 J3.5 J6.1 U5.8 U6.3
"ISO CAN RX": TP5.1 U5.6 U6.4
"ISO CAN TX": TP2.1 U5.7 U6.1
"ISO GND": C9.1 C11.1 D1.3 J2.2 J2.6 J3.2 J3.6 U4.2 U5.5 U6.2 U6.8
LED0: DS1.2 U1.27 Z1.7
LED1: DS2.2 U1.28 Z1.8
nALARM: U1.15 U3.2
NetC16B_1: C16A.2 C16B.1 R16A.2 R17B.2 U8.26
NetC16C_1: C16B.2 C16C.1 R16B.2 R17C.2 U8.25
NetC16D_1: C16C.2 C16D.1 R16C.2 R17D.2 U8.24
NetC16E_1: C16D.2 C16E.1 R16D.2 R17E.2 U8.23
NetC16E_2: C16E.2 D6.A R16E.2 U8.22
NetC16G_1: C16F.2 C16G.1 R16F.2 R17G.2 U8.20
NetC16H_1: C16G.2 C16H.1 R16G.2 R17H.2 U8.19
NetC16I_1: C16H.2 C16I.1 R16H.2 R17I.2 U8.18
NetC16J_1: C16I.2 C16J.1 R16I.2 R17J.2 U8.17
NetC16J_2: C16J.2 D4.A R16J.2 U8.16
NetC17_2: C17.2 D4.K R18.1 U8.15
NetC18_2: C18.2 U8.11 U8.12 U8.14
NetC19_2: C19.2 TP14.1 U8.8
NetC21_2: C21.2 Q3.S TP13.1 U8.9
NetC22_1: C22.1 C23.2 R26.1 U9.2
NetC22_2: C22.2 U9.1
NetC24_2: C24.2 U8.7
NetC25_2: C25.2 R17F.2 R27.2 U8.21
NetC26_2: C26.2 R17A.2 R33.2 U8.27
NetD3A_K: D3A.K Q1A.G R17A.1 TP11A.1
NetD3B_K: D3B.K Q1B.G R17B.1 TP11B.1
NetD3C_K: D3C.K Q1C.G R17C.1 TP11C.1
NetD3D_K: D3D.K Q1D.G R17D.1 TP11D.1
NetD3E_K: D3E.K Q1E.G R17E.1 TP11E.1
NetD3F_K: D3F.K Q1F.G R17F.1 TP11F.1
NetD3G_K: D3G.K Q1G.G R17G.1 TP11G.1
NetD3H_K: D3H.K Q1H.G R17H.1 TP11H.1
NetD3I_K: D3I.K Q1I.G R17I.1 TP11I.1
NetD3J_K: D3J.K Q1J.G R17J.1 TP11J.1
NetD5_A: D5.A R19.1 R21.2
NetD5_K: D5.K Q3.D R21.1
NetDS1_1: DS1.1 R4.1
NetDS2_1: DS2.1 R5.1
NetF1_2: F1.2 Q2.D R18.2 R19.2 R26.2
NetJ5_2: J5.2 R10.2
NetJ7A_2: J7A.2 R11A.2
NetJ7B_2: J7B.2 R11B.2
NetJ7C_2: J7C.2 R11C.2
NetJ7D_2: J7D.2 R11D.2
NetJ8A_2: J8A.2 Q1A.D
NetJ8B_2: J8B.2 Q1B.D
NetJ8C_2: J8C.2 Q1C.D
NetJ8D_2: J8D.2 Q1D.D
NetJ8E_2: J8E.2 Q1E.D
NetJ8F_2: J8F.2 Q1F.D
NetJ8G_2: J8G.2 Q1G.D
NetJ8H_2: J8H.2 Q1H.D
NetJ8I_2: J8I.2 Q1I.D
NetJ8J_2: J8J.2 Q1J.D
NetQ3_G: Q3.G R25.1
NetR6_1: R6.1 U3.1
NetR7_2: R7.2 U4.1
NetR22_2: R22.2 U8.13
NetR23_1: R23.1 U9.12
NetR32_1: R32.1 TP16.1 U8.30
NRST: C8.2 J1.10 R3.1 SW1.2 U1.7
"OSC IN": U1.5 U2.3
"PWR CB": C12.1 U7.1
"PWR FB": R13.1 R15.2 TP9.1 U7.3
"PWR SHDN": R12.1 R14.2 U7.4
"PWR SW": C12.2 L1.1 TP8.1 U7.6
SWCLK: J1.4 U1.37
SWDIO: J1.2 U1.34
TEMP1: R11A.1 U1.10 Z2.1
TEMP2: R11B.1 U1.11 Z2.2
TEMP3: R11C.1 U1.12 Z2.3
TEMP4: R11D.1 U1.13 Z2.4
TEMP5: P2.2 U1.16 Z2.5
"TEMP SOC": J7A.4 J7B.4 J7C.4 J7D.4 P2.4 U1.14 Z2.6
"USART1 RX": P1.2 U1.31 Z1.2 Z2.8
"USART1 TX": P1.1 U1.30 Z1.1 Z2.7
VC5X: C16F.1 C17.1 C18.1 C20.2 C25.1 D6.K R22.1 R24.1 R25.2 TP12.1 U8.10
pads on no net: D2.A D2.K FID1.1 FID2.1 FID3.1 FID4.1 J1.6 J1.7 J1.8 J7A.NC J7B.NC J7C.NC J7D.NC J9.NC J10.NC M1.1 M2.1 M3.1 M4.1 U1.2 U1.3 U1.4 U1.17 U1.18 U1.19 U1.20 U1.21 U1.29 U1.38 U1.39 U1.40 U1.41 U1.44 U1.45 U1.46 U9.3 U9.10 U9.11 U9.13 U9.14 U9.15 U9.16 Z1.9 Z2.9

## Text inside footprints (layer, text, board x,y; h text height)
J7A: Top Overlay "4" at 289.712,385.47 h1.02; Top Overlay "1" at 284.632,385.47 h1.02
J7B: Top Overlay "4" at 305.291,386.622 h1.02; Top Overlay "1" at 300.042,386.452 h1.02
J7C: Top Overlay "4" at 321.198,386.622 h1.02; Top Overlay "1" at 315.948,386.452 h1.02
J7D: Top Overlay "4" at 336.787,386.622 h1.02; Top Overlay "1" at 331.538,386.452 h1.02
LOGO1: Top Overlay "H" at 314.485,44.991 h10.16
LOGO2: Top Overlay "H" at 293.276,44.991 h10.16
LYID1: Top Layer "1" at 285.75,60.325 h1.52; Bottom Layer "2" at 287.782,60.325 h1.52
U1: Top Overlay "STM32 / F042 / C6" at 312.161,340.614 h1.02 r270
Z1: Top Overlay "Logic / Analyzer" at 290.957,335.153 h0.81; Top Overlay "Saleae / Clone" at 290.957,319.659 h0.81
Z2: Top Overlay "Logic / Analyzer" at 331.212,357.622 h0.81; Top Overlay "Saleae / Clone" at 331.212,342.128 h0.81